# Altium PCB PCB.PcbDoc (part 2 of 2) (continued)
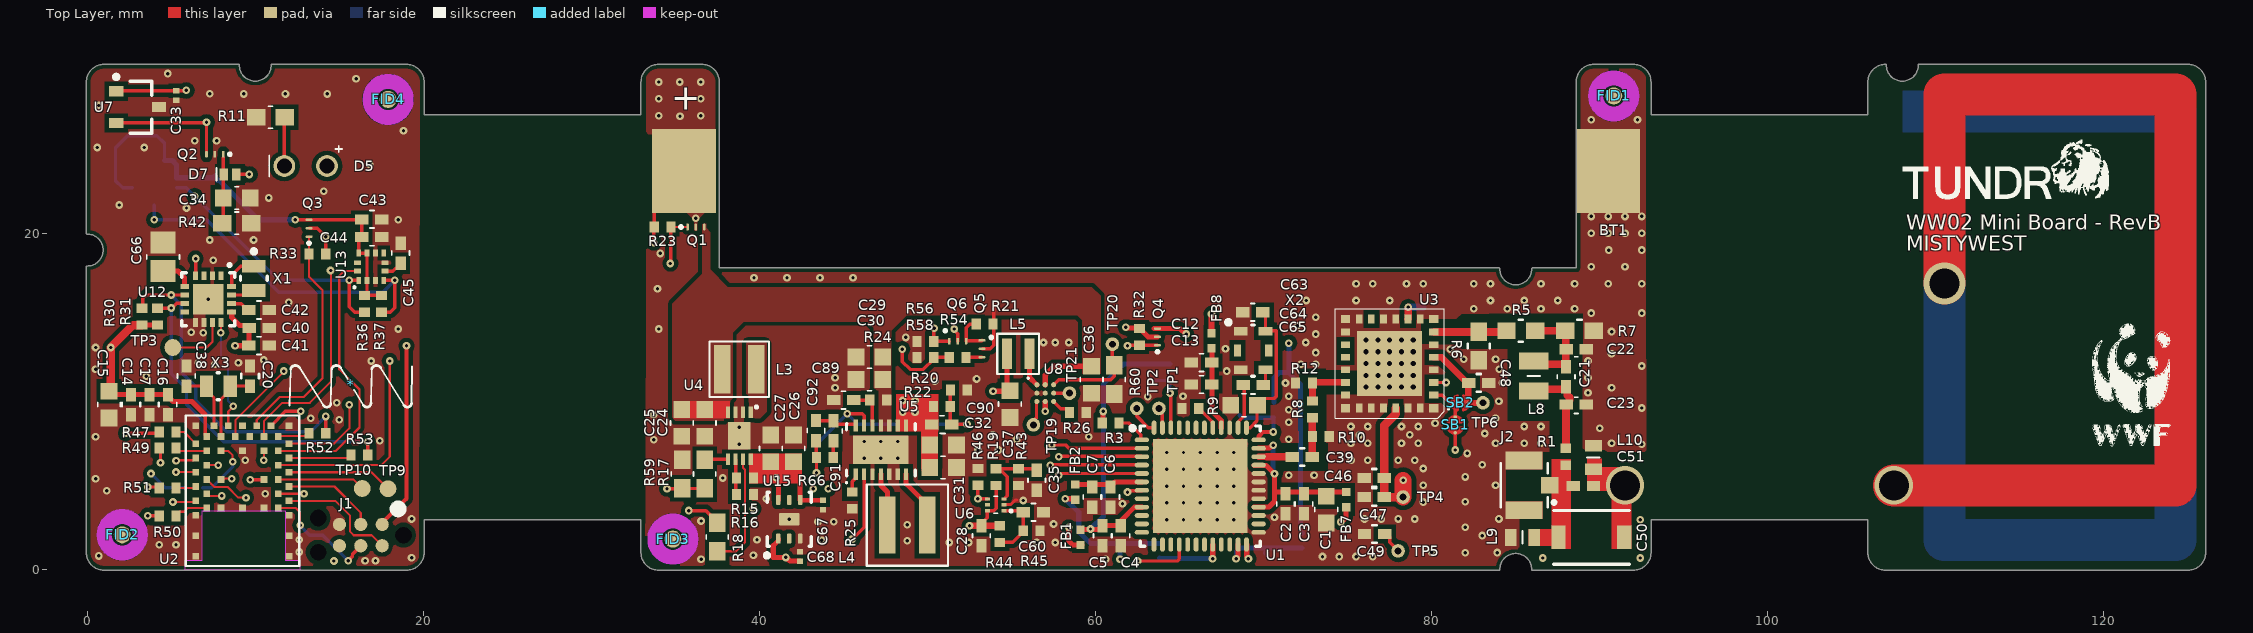
[diagram p0: Top Layer view]
## Nets (pads, with @x,y where several pads share a name; then routed paths per layer and width w, separated by ;. In a path a pad name is that pad's centre, name@x,y a point inside that pad or via, vN(x,y) a via of type N, cw(c..) or ccw(c..) an arc to the next point about the centre after c; other vN are vias at no path point) (continued)
OC_A33VD1: C10.1 C11.1 FB9.2 U1.23 | length 5.4
  Top Layer w0.305: v1(68.358,0.635) 68.358,0.676 68.466,0.785 68.466,1.467 U1.23@68.479,1.479
  Bottom Layer w0.305: v1(68.358,0.635) 68.397,0.674 68.397,1.069 68.609,1.282 FB9.2@72.264,1.282 ; C10.1@70.111,0.991 C10.1@70.193,0.909
OC_A33VD2: C61.1 C62.1 FB10.2 U1.36 | length 4.2
  Top Layer w0.254: U1.36@69.704,7.704 69.704,7.919 69.964,8.179 v1(70.567,8.179)
  Bottom Layer w0.254: C62.1@68.558,9.169 68.708,9.019 FB10.2@70.615,9.019 70.591,8.995 70.591,8.203 v1(70.567,8.179)
OC_D18VD: C6.1 C7.1 FB2.2 U1.6 | length 3.9
  Top Layer w0.305: FB2.2@58.9,5.05 C6.1@60.8,5.05 ; C7.1@59.696,5.004 C7.1@59.8,4.9 ; C6.1@61,5.05 61.149,5.199 62.749,5.199 U1.6@62.754,5.204
OC_D33VD: C4.1 C5.1 FB1.2 R3.2 R67.2 U1.9 | length 17.7
  Top Layer w0.305: FB1.2@59.3,2.38 C5.1@60.325,2.38 ; R3.2@60.4,8.7 60.433,8.733 60.433,9.369 v1(60.462,9.399) ; C5.1@60.5,2.7 C5.1@60.513,2.713 ; C5.1@60.6,2.6 C4.1@61.5,2.6 ; C4.1@61.566,2.858 61.566,2.958 62.307,3.699 62.749,3.699 U1.9@62.754,3.704
  Bottom Layer w0.203: R67.2@64.417,12.225 R67.2@64.43,12.238
  Bottom Layer w0.305: v1(59.7,2.4) 60.462,3.162 v1(60.462,9.399) 60.462,11.015 61.66,12.212 64.404,12.212 R67.2@64.417,12.225
OC_PLLVD: C12.1 C13.1 FB8.2 U1.40 | length 4.9
  Top Layer w0.305: FB8.2@66.935,13.1 66.935,11 66.935,9.399 67.479,8.855 U1.40@67.479,8.429
OC_RXVD: C8.1 C9.1 FB4.2 U1.20 U1.24 | length 7.9
  Top Layer w0.305: v1(66.961,0.635) 66.97,0.644 66.97,1.47 U1.20@66.979,1.479 ; U1.24@68.979,1.479 68.991,1.467 68.991,0.779 69.12,0.651 v1@69.12,0.635
  Signal Layer 4 w0.305: v1(66.961,0.635) 66.961,0.982 67.198,1.219 68.824,1.219 69.065,0.978 69.065,0.664 v1(69.094,0.635)
  Bottom Layer w0.305: FB4.2@63.808,0.679 63.831,0.657 65.891,0.657 66.938,0.657 v1(66.961,0.635)
OC_TXVD: C1.1 C2.1 C3.1 FB7.2 U1.28 U1.33 U1.35 | length 11.4
  Top Layer w0.305: U1.28@69.424,3.708 70.313,3.708 70.644,4.039 70.644,4.597 ; U1.33@69.43,6.191 70.142,6.191 70.618,5.715 v1@70.644,5.715 ; U1.35@69.704,7.217 70.352,7.217 70.526,7.391 v1(70.567,7.391) ; v1(70.644,5.69) 70.644,4.597 ; FB7.2@74.919,4.606 72.531,4.606 70.652,4.606 70.644,4.597
  Bottom Layer w0.305: v1(70.567,7.391) 70.567,5.807 70.644,5.731 v1(70.644,5.69)
PA_ANT: R5.1 R6.2 U3.7 | length 4.3
  Top Layer w0.457: U3.7@80.123,14.121 R5.1@84.45,14.121
PA_PD: C49.2 TP5.TP U1.7 U3.3 | length 32.1
  Top Layer w0.203: v1@61.827,4.56 61.956,4.69 62.735,4.69 U1.7@62.744,4.699 ; C49.2@77.2,2.1 77.3,2.1 77.498,1.902 77.498,1.604 78,1.103 TP5.TP@78,1.1 ; TP5.TP@78.196,1.016 TP5.TP@78.196,1.181 ; U3.3@80.123,11.121 v1(80.854,11.121)
  Signal Layer 2 w0.203: v1(61.9,4.6) 61.9,4.529 64.93,1.499 77.611,1.499 TP5.TP@78,1.11 ; TP5.TP@78,1.1 TP5.TP@78,1.11 ; TP5.TP@78.12,1.016 TP5.TP@78.196,1.016 ; v1(80.854,11.121) 80.854,8.221 80.106,7.473 80.106,3.29 78,1.184 TP5.TP@78,1.11
PA_TR: SB1.2 U1.16 | length 28.3
  Top Layer w0.203: v1(62.5,0.5) 64.86,0.5 64.979,0.619 U1.16@64.979,1.479 ; SB1.2@81.4,8.135 81.4,7.109 v1(81.404,7.105)
  Signal Layer 3 w0.203: v1(62.5,0.5) 63.7,1.7 75.4,1.7 76,2.3 80.4,2.3 80.6,2.5 80.6,6.302 v1(81.404,7.105)
PA_TX: R8.2 R12.2 U3.20 | length 3.1
  Top Layer w0.406: R8.2@72.9,10.025 R12.2@72.9,11.1 ; R12.2@72.9,11.13 74.796,11.13 74.805,11.121 U3.20@74.873,11.121
Power_Line: D7.1 U2.10 | length 27.9
  Top Layer w0.127: U2.10@11.359,6.198 U2.10@11.365,6.203 17.496,6.203 18,6.708 v1(18,12.4)
  Top Layer w0.203: D7.1@8.875,23.5 v1(9.651,23.5)
  Signal Layer 2 w0.203: v1(9.651,23.5) 9.651,20.749 v1(18,12.4)
RF2_OUT: C50.1 C51.1 J2.1 L9.1 R1.2 | length 1.5
  Top Layer w0.457: J2.1@87.024,5 87.047,4.977 87.55,4.977 87.913,4.977 ; 87.975,5.039 87.913,4.977 ; C51.1@88.425,4.954 88.402,4.977 87.913,4.977
RF2_OUT_ANT: C50.2 C51.2 L10.1 | length 165.8
  Top Layer w2.5: v5(107.5,5) 124.25,5 124.25,28.25 110.5,28.25 v6(110.5,17)
  Signal Layer 2 w2.54: v5(91.5,5) v5(107.5,5)
  Signal Layer 3 w2.54: v5(91.5,5) v5(107.5,5)
  Bottom Layer w2.5: 110,27.25 124.25,27.25 124.25,1.75 110.5,1.75 v6(110.5,17)
RST_BLE: J1.2 U2.7 | length 5.6
  Top Layer w0.127: U2.7@12.015,4.928 14.714,4.928 16.281,3.361 J1.2@16.281,2.673
RTC_nIRQ2: U2.16 U12.4 | length 14.8
  Top Layer w0.203: U12.4@6.452,17.465 v1(6.452,18.495) ; U2.16@10.94,8.553 11.787,9.4 v1(12.7,9.4)
  Signal Layer 2 w0.203: v1(6.452,18.495) 12.7,12.247 v1(12.7,9.4)
RTC_nTIRQ: U2.22 U12.12 | length 6.7
  Top Layer w0.127: v1(7.952,14.077) U12.12@7.952,14.685 ; U2.22@8.324,8.619 U2.22@8.39,8.553 8.39,9.39 v1(8.7,9.7)
  Bottom Layer w0.127: v1(7.952,14.077) 7.952,12.688 8.376,12.264 8.376,10.024 v1(8.7,9.7)
RTC_SCL: R31.1 R53.2 U12.7 | length 20.3
  Top Layer w0.203: R31.1@4.196,15.54 4.202,15.547 4.99,15.547 v1(4.997,15.553) ; v1@5.065,15.553 5.337,15.825 U12.7@5.812,15.825 ; R53.2@16.7,6.8 v1(16.7,7.6)
  Bottom Layer w0.203: v1(4.997,15.553) 4.997,11.649 5.909,10.737 5.909,9.829 8.138,7.6 v1(16.7,7.6)
RTC_SDA: R30.1 R52.2 U12.6 | length 20
  Top Layer w0.127: R52.2@14.2,8.1 R52.2@14.231,8.131
  Top Layer w0.203: R30.1@3.265,15.544 3.307,15.586 3.307,16.12 3.511,16.325 v1(4.997,16.325) U12.6@5.812,16.325 ; v1(14.2,9.1) 14.2,8.163 R52.2@14.231,8.131
  Bottom Layer w0.203: v1(4.997,16.325) 5.6,15.721 5.6,11.724 6.452,10.871 6.452,10.048 8.3,8.2 13.3,8.2 v1(14.2,9.1)
SENS_VCC: C18.1 C19.1 C43.1 C44.1 Q3.3 R36.2 R37.2 U11.1 U11.6 U11.10 U13.2 U13.9 U13.10 | length 27.4
  Top Layer w0.203: v1(12.376,20.8) Q3.3@13.199,20.8 16.31,20.8 16.334,20.824 C43.1@16.339,20.824 C44.1@16.339,19.783 16.15,19.595 U13.10@16.15,18.815 U13.9@16.65,18.815 U13.2@16.65,17.185 R36.2@16.65,16.395 ; R36.2@16.5,16.3 R37.2@17.5,16.3
  Bottom Layer w0.203: U11.6@2.68,22.7 2.111,22.7 1.684,23.127 1.684,25.084 2.4,25.8 4.148,25.8 4.6,25.348 U11.10@4.6,24.32 ; C19.1@6.6,23.4 C19.1@6.609,23.391
  Bottom Layer w0.305: U11.10@4.6,24.32 5.079,24.32 5.32,24.079 U11.1@5.32,23.3 6.4,23.3 7.5,23.3 7.6,23.4 7.6,23.3 7.748,23.152 7.848,23.152 10.2,20.8 v1(12.376,20.8)
SENS_VCC_EN: Q3.1 R33.2 U2.18 | length 14.1
  Top Layer w0.127: U2.18@10.09,8.553 10.09,8.89 11.458,10.258 12.889,10.258 14,11.369 14,16.607 13.2,17.408 R33.2@13.2,18.759 ; R33.2@13.199,18.72 Q3.1@13.199,19.8
SENSOR_SCL: R36.1 R50.1 U11.2 U13.1 | length 39.9
  Top Layer w0.203: v1(3.6,3.2) 4.252,3.2 R50.1@4.283,3.169 R50.1@4.283,3.219 ; U13.1@16.15,17.185 16.135,17.2 v1(15.6,17.2) 15.6,15.621 15.921,15.3 R36.1@16.5,15.3
  Signal Layer 2 w0.203: v1(3.6,3.2) 1.134,5.666 1.134,9.034 2.2,10.1 2.2,20.092 4.308,22.2 v1(6.4,22.2)
  Bottom Layer w0.203: U11.2@5.32,22.7 5.9,22.7 v1(6.4,22.2) 11.4,17.2 v1(15.6,17.2)
SENSOR_SDA: R37.1 R51.1 U11.4 U13.4 | length 39.6
  Top Layer w0.203: v1(3.6,4.9) 4.229,4.9 R51.1@4.283,4.845 ; R37.1@17.4,15.265 17.4,15.2 R37.1@17.5,15.3 18.03,15.3 18.3,15.57 v1(18.3,17.2) 18.293,17.193 17.658,17.193 U13.4@17.65,17.185
  Signal Layer 2 w0.203: v1(3.6,4.9) 2.684,4.9 1.633,5.951 1.633,8.733 2.8,9.9 2.8,19.6 v1(4,20.8)
  Bottom Layer w0.203: U11.4@4,21.68 v1(4,20.8) 7.1,20.8 11.4,16.5 17.6,16.5 v1(18.3,17.2)
SW_1V8: L5.1 U8.A1 | length 2
  Top Layer w0.305: L5.1@56.071,12.823 56.071,11.42 U8.A1@56.505,10.985
SWCLK_BLE: J1.5 U2.4 | length 7.1
  Top Layer w0.127: U2.4@11.365,3.653 12.407,3.653 12.672,3.388 v1(12.672,2.624)
  Top Layer w0.203: v1(15.543,0.508) 15.543,0.524 15.788,0.768 15.788,0.909 J1.5@16.281,1.403
  Bottom Layer w0.203: v1(12.672,2.624) 12.672,2.593 13.228,2.038 14.013,2.038 v1(15.543,0.508)
SWDIO_BLE: J1.6 U2.5 | length 7.2
  Top Layer w0.127: U2.5@12.015,4.078 14.752,4.078 15.646,3.184 15.646,2.246 15.86,2.032 16.922,2.032 J1.6@17.551,1.403
TXOUT_ARGOS: C39.1 U1.34 | length 2
  Top Layer w0.305: U1.34@69.704,6.704 U1.34@69.709,6.699
  Top Layer w0.406: U1.34@69.709,6.699 70.2,6.699
  Top Layer w0.457: 70.2,6.699 71.643,6.699 C39.1@71.663,6.719
UART_RX: TP10.TP U2.8 | length 5.2
  Top Layer w0.127: U2.8@11.365,5.353 15.827,5.353 TP10.TP@16.368,4.813
UART_TX: TP9.TP U2.9 | length 6.3
  Top Layer w0.127: U2.9@12.015,5.778 16.922,5.778 TP9.TP@17.9,4.8
Vbat: C24.1 C25.1 C29.1 C30.1 C36.1 L3.1 Q1.3 Q5.2 R21.1 R24.2 U4.4 U5.10 U5.11 U8.A2 | length 6.8
  Top Layer w0.203: Q5.2@53.242,13.123 53.737,13.123 53.95,13.336 53.95,14.455 53.95,15.74
  Top Layer w0.305: U8.A2@57.005,10.985 57.005,11.562 57.528,12.085 C36.1@59.765,12.085
Vbat_in: BT1.1 C33.1 Q1.2 R23.2 U7.1 | length 45.1
  Top Layer w0.203: U7.1@1.728,28.447 U7.1@1.725,28.45 1.75,28.475 v1@5.875,28.475 ; v1@5.847,28.447 v1@5.875,28.475 ; v1(5.9,28.5) v1@5.875,28.475 ; v1(33.718,19.443) 33.718,20.35 R23.2@33.739,20.371 33.739,21.841 BT1.1@35.596,23.698
  Top Layer w0.508: BT1.1@35.596,23.698 BT1.1@36.22,23.074
  Signal Layer 3 w0.203: v1(5.9,28.5) 6.7,27.7 15.6,27.7 17.437,25.863 17.437,20.063 18.057,19.443 v1(33.718,19.443)
  other v1: 36.216,20.9 35.275,26.967 34,27 36.5,27 34,28 36.5,28 34,29 35.25,29 36.5,29
Vbat_Sample: R54.1 R58.2 U2.45 | length 49.1
  Top Layer w0.127: U2.45@7.965,5.353 8.047,5.436 8.132,5.351 8.181,5.4 v1(8.6,5.4)
  Top Layer w0.203: v1(48.5,13.1) 48.5,12.358 48.963,11.895 49.754,11.895 50.371,12.512 R58.2@50.371,12.613 ; R58.2@50.34,12.582 R58.2@50.371,12.613 ; R54.1@51.294,12.613 R58.2@50.371,12.613
  Signal Layer 2 w0.203: v1@8.652,5.4 v1(8.6,5.4) 9.131,5.931 33.967,5.931 35.789,7.753 35.789,9.576 39.313,13.1 v1(48.5,13.1)
Vbat_Sample_EN: Q6.1 R56.1 U2.42 | length 46.5
  Top Layer w0.127: v1(10.5,6.5) 10.515,6.515 U2.42@10.515,7.053
  Top Layer w0.203: R56.1@50.372,13.555 R56.1@50.382,13.565 ; v1(50.393,14.348) 50.382,14.337 R56.1@50.382,13.565 ; Q6.1@51.294,13.576 50.393,13.576 R56.1@50.382,13.565
  Signal Layer 2 w0.203: v1(10.5,6.5) 33.602,6.5 35.128,8.026 35.128,9.931 39.545,14.348 v1(50.393,14.348)
pads on no net: FID1. FID2. FID3. FID4. FID5. FID6. FID7. FID8. J1.0 J1.4 U1.8 U1.10 U1.11 U1.12 U1.13 U1.14 U1.15 U1.17 U1.18 U1.19 U1.21 U1.22 U1.26 U1.42 U1.43 U1.44 U1.45 U2.19 U2.20 U3.13 U3.17 U3.18 U6.5 U11.7 U12.1 U12.3 U12.8 U13.7 U13.11 U15.2 U15.5 X2.2 X2.5
copper on no net: | length 0.2
  Top Layer w0.203: 81.187,9.9 81.362,9.9

## Polygon pours and split planes (outlines as drawn)
GND on Bottom Layer "Bottom Layer-GND" (solid, remove dead copper, pour order 39): 32.995,30.023 33.02,29.997 92.964,29.997 92.964,-0.025 32.969,-0.025
Vbat_in on Bottom Layer "VBAT_IN_L06_P028" (solid, pour order 28): 33.397,25.9 33.2,26.097 33.2,30.1 37.068,30.1 37.268,30.3 37.4,30.168 37.4,26.2 37.1,25.9
GND on Bottom Layer "Bottom Layer-GND 2" (solid, remove dead copper, pour order 43): -0.025,30.048 20.015,30.048 20.015,-0.025 19.99,0 0,0
GND on Top Layer "Top Layer-GND" (solid, remove dead copper, pour order 33): 32.944,30.673 92.964,30.673 92.964,0.686 92.964,-0.025 32.97,0
Vbat_in on Top Layer "VBAT_IN_L01_P029" (solid, pour order 29): 33.397,25.9 33.2,26.097 33.2,30.1 37.068,30.1 37.268,30.3 37.4,30.168 37.4,26.2 37.1,25.9
NetL3_2 on Top Layer "NETL3_2_L01_P030" (solid, pour order 30): 39.37,8.992 39.35,9 39.35,10.33 39.225,10.455 39.225,13.463 39.317,13.555 40.335,13.555 40.442,13.448 40.442,9.388 40.046,8.992
Vbat on Top Layer "VBAT_L01_P031" (solid, pour order 31): 36.795,20.576 36.651,20.576 36.6,20.525 36.6,17.6 34.8,15.8 34.8,9.058 35,8.858 38.118,8.858 38.252,8.992 38.252,10.036 38.4,10.184 38.4,14.072 39.073,14.746 46.442,14.746 46.814,14.374 46.814,10.811 47.1,10.525 47.1,8.2 47.857,8.195 47.857,14.203 48.773,15.119 50.925,15.119 58.905,15.119 59.2,14.824 59.2,11.625 59.263,11.562 60.236,11.562 60.3,11.626 60.3,16.28 59.78,16.8 38.124,16.8 37.077,17.846 37.077,20.057 36.821,20.313 36.821,20.55
Vbat_in on Top Layer "VBAT_IN_L01_P032" (solid, pour order 32): 36.126,20.174 36.151,20.149 36.274,20.149 36.3,20.175 36.3,20.775 36.817,21.292 35.608,21.292 36.126,20.774
GND on Top Layer "Top Layer-GND 2" (solid, remove dead copper, pour order 36): 0,30.023 0.025,29.997 19.99,29.997 19.99,0.025 20.015,0 0,0
GND on Signal Layer 1 "Signal Layer 1-GND 2" (solid, remove dead copper, pour order 49): 33.045,29.972 92.989,29.972 93.015,29.947 92.964,29.896 92.964,-0.025 32.995,-0.025
GND on Signal Layer 1 "Signal Layer 1-GND" (solid, remove dead copper, pour order 45): -0.025,29.997 0,29.972 19.964,29.972 19.964,0 0,0
GND on Signal Layer 2 "Signal Layer 2-GND 1" (solid, remove dead copper, pour order 55): 32.944,29.972 92.964,29.972 92.964,-0.025 32.969,-0.025 32.944,-0.051
GND on Signal Layer 2 "Top Layer-GND 4" (hatched 45Degree grid 0.33 track 0.127, remove dead copper, pour order 38): 19.27,27 33.863,27 33.863,2.979 19.27,2.979
GND on Signal Layer 2 "Signal Layer 2-GND 2" (solid, remove dead copper, pour order 57): 0.025,30.023 19.964,30.023 19.964,-0.025 0.025,-0.025
GND on Signal Layer 3 "Signal Layer 3-GND 1" (solid, remove dead copper, pour order 61): 32.969,29.972 92.964,29.972 92.964,-0.025 32.969,-0.025
GND on Signal Layer 3 "Signal Layer 3-GND" (solid, remove dead copper, pour order 59): -0.025,30.023 19.964,30.023 20.066,29.921 20.066,-0.025 0.076,-0.025
GND on Signal Layer 3 "Bottom Layer-GND 3" (hatched 45Degree grid 0.33 track 0.127, remove dead copper, pour order 73): 19.257,27 34.155,27 34.155,3.054 19.189,3.054
GND on Signal Layer 4 "Signal Layer 4-GND 1" (solid, remove dead copper, pour order 69): 32.944,29.972 93.066,29.972 92.964,29.87 92.964,-0.025 33.071,-0.025 33.045,0
GND on Signal Layer 4 "Signal Layer 4-GND" (solid, remove dead copper, pour order 67): 0,30.023 0.051,29.972 20.091,29.972 20.091,0.051 20.041,0 -0.102,0

## Keep-outs
Keep-Out Layer:
  region: 6.807,3.454 6.807,0.508 5.817,0.508 5.817,0 12.672,0 12.672,0.508 11.811,0.508 11.811,3.454

## Other copper
Top Layer:
  rectangle net RF2_OUT: 87.125,1.2 88.3,6.564
  rectangle net RF2_OUT_ANT: 89.225,4.654 90.135,6.599
  rectangle net RF2_OUT_ANT: 89.225,4.654 91.5,6.105
  rectangle net RF2_OUT_ANT: 90.7,1.2 91.875,5.254
  rectangle net RF2_OUT: 85.755,1.387 87.975,2.4
  rectangle net 4V2: 39.37,5.105 42.545,6.909
  rectangle net 3V3: 48.111,8.217 50.651,10.43
  rectangle net Vbat: 34.874,8.992 38.252,10.008
  pour cut-out: 89,15.2 89,7 92.99,7 92.964,-0.025 85.195,-0.025 85.195,3 86.6,3 86.6,4.05 85.195,4.05 84.399,4.05 84.399,5.954 86.6,5.954 86.6,7 87,7 87,8.818 84.5,8.818 84.5,13.1 81.774,13.1 81.474,13.4 79.4,13.4 79.4,14.9 81.474,14.9 81.774,15.2
  pour cut-out: 91.5,6.659 93.75,6.659 93.75,3.341 91.5,3.341
  pour cut-out: 3.51,16.842 3.255,16.587 3.255,16.581 4.466,16.581 4.61,16.726 4.61,16.834
  region: 16.15,17.185
  region: 16.1,17.2
  pour cut-out: 10.874,17.415 10.874,17.223 10.851,17.2 9.08,17.2 9.08,17.409 9.074,17.415
Signal Layer 1:
  pour cut-out: 78,14.2 79.2,14.2 79.2,15.172 78,15.172
  pour cut-out: 69.029,7.5 69.029,5.879 73.808,5.879 73.808,10.412 75.561,10.412 75.561,11.93 72.067,11.93 72.067,7.5
  pour cut-out: 89,15.2 88.999,7 92.989,7 92.963,-0.025 85.194,-0.025 85.195,3 86.6,3 86.6,4.05 85.195,4.05 84.399,4.05 84.399,5.954 86.6,5.954 86.6,7 87,7 87,8.818 84.5,8.818 84.499,13.1 81.774,13.1 81.474,13.4 79.399,13.4 79.4,14.9 81.474,14.9 81.774,15.2
Signal Layer 2:
  pour cut-out: 93.05,0 85.2,0 85.2,3 86.6,3 86.6,7 93.05,7
  pour cut-out: 91.5,6.659 93.75,6.659 93.75,3.341 91.5,3.341
  pour cut-out: 48.553,14.08 48.4,13.928 48.4,13.672 48.592,13.48 48,13.48 48,14.144 48.028,14.172
Signal Layer 3:
  rectangle net 3V3: 48.035,8.89 49.737,10.541
  pour cut-out: 93.05,0 85.2,0 85.2,3 86.6,3 86.6,7 93.05,7
  pour cut-out: 91.5,6.659 93.75,6.659 93.75,3.341 91.5,3.341
Signal Layer 4:
  rectangle net 3V3: 48.06,8.89 49.711,10.541
  pour cut-out: 78.6,16.6 82.1,16.6 82.1,14.6 78.6,14.6
  pour cut-out: 91.5,6.659 93.75,6.659 93.75,3.341 91.5,3.341
Bottom Layer:
  rectangle net RF2_OUT_ANT: 108,26 110,28.5
  pour cut-out: 80,16.602 82.1,16.597 82.1,14.6 80,14.6
  pour cut-out: 91.5,6.659 93.75,6.659 93.75,3.341 91.5,3.341

## Silkscreen, mask and mechanical layers (free items; w line width, h text height)
Top Overlay:
  drawing of 29 lines, arcs and shapes, not listed
  text "+" at 34.747,27.356 h1.52
  text "WW02 Mini Board - RevB" at 108.239,19.919 h1.52
  text "MISTYWEST" at 108.239,18.649 h1.52
Bottom Overlay:
  drawing of 54 lines, arcs and shapes, not listed
  text "WW02 Mini Board - RevB" at 47.9,11.302 h1.52
  text "MISTYWEST" at 47.9,10.032 h1.52
Mechanical 1:
  drawing of 646 lines, arcs and shapes, not listed
  text "Layer" at 133.266,32.493 h1.28
  text "Name" at 142.109,32.493 h1.28
  text "Material" at 162.278,32.493 h1.28
  text "Thickness" at 180.737,32.493 h1.28
  text "Constant" at 194.708,32.493 h1.28
  text "Board Layer Stack" at 206.97,32.493 h1.28
  text "Flex" at 230.985,32.493 h1.28
  text "Top Overlay" at 142.109,29.928 h1.28
  text "Top Solder" at 142.109,27.362 h1.28
  text "Solder Resist" at 162.278,27.362 h1.28
  text "0.60mil" at 180.737,27.362 h1.28
  text "3.5" at 194.708,27.362 h1.28
  text "1" at 133.266,24.797 h1.28
  text "Top Layer" at 142.109,24.797 h1.28
  text "Copper" at 162.278,24.797 h1.28
  text "1.40mil" at 180.737,24.797 h1.28
  text "Dielectric 1" at 142.109,22.232 h1.28
  text "FR-4" at 162.278,22.232 h1.28
  text "10.00mil" at 180.737,22.232 h1.28
  text "4.2" at 194.708,22.232 h1.28
  text "2" at 133.266,19.667 h1.28
  text "Signal Layer 1" at 142.109,19.667 h1.28
  text "Copper" at 162.278,19.667 h1.28
  text "0.70mil" at 180.737,19.667 h1.28
  text "Dielectric 3" at 142.109,17.102 h1.28
  text "PP-006" at 162.278,17.102 h1.28
  text "3.30mil" at 180.737,17.102 h1.28
  text "4.1" at 194.708,17.102 h1.28
  text "Dielectric 6" at 142.109,14.537 h1.28
  text "Core-009" at 162.278,14.537 h1.28
  text "10.00mil" at 180.737,14.537 h1.28
  text "4.5" at 194.708,14.537 h1.28
  text "Dielectric 7" at 142.109,11.972 h1.28
  text "PP-006" at 162.278,11.972 h1.28
  text "2.90mil" at 180.737,11.972 h1.28
  text "4.1" at 194.708,11.972 h1.28
  text "3" at 133.266,9.406 h1.28
  text "Signal Layer 2" at 142.109,9.406 h1.28
  text "Copper" at 162.278,9.406 h1.28
  text "0.70mil" at 180.737,9.406 h1.28
  text "Dielectric 4" at 142.109,6.841 h1.28
  text "2.00mil" at 180.737,6.841 h1.28
  text "4.2" at 194.708,6.841 h1.28
  text "4" at 133.266,4.276 h1.28
  text "Signal Layer 3" at 142.109,4.276 h1.28
  text "Copper" at 162.278,4.276 h1.28
  text "0.70mil" at 180.737,4.276 h1.28
  text "Dielectric 9" at 142.109,1.711 h1.28
  text "PP-006" at 162.278,1.711 h1.28
  text "3.40mil" at 180.737,1.711 h1.28
  text "4.1" at 194.708,1.711 h1.28
  text "Dielectric 8" at 142.109,-0.854 h1.28
  text "Core-009" at 162.278,-0.854 h1.28
  text "10.00mil" at 180.737,-0.854 h1.28
  text "4.5" at 194.708,-0.854 h1.28
  text "Dielectric 5" at 142.109,-3.419 h1.28
  text "PP-006" at 162.278,-3.419 h1.28
  text "3.30mil" at 180.737,-3.419 h1.28
  text "4.1" at 194.708,-3.419 h1.28
  text "5" at 133.266,-5.984 h1.28
  text "Signal Layer 4" at 142.109,-5.984 h1.28
  text "Copper" at 162.278,-5.984 h1.28
  text "0.70mil" at 180.737,-5.984 h1.28
  text "Dielectric 2" at 142.109,-8.55 h1.28
  text "10.00mil" at 180.737,-8.55 h1.28
  text "4.2" at 194.708,-8.55 h1.28
  text "6" at 133.266,-11.115 h1.28
  text "Bottom Layer" at 142.109,-11.115 h1.28
  text "Copper" at 162.278,-11.115 h1.28
  text "1.40mil" at 180.737,-11.115 h1.28
  text "Bottom Solder" at 142.109,-13.68 h1.28
  text "Solder Resist" at 162.278,-13.68 h1.28
  text "0.60mil" at 180.737,-13.68 h1.28
  text "3.5" at 194.708,-13.68 h1.28
  text "Bottom Overlay" at 142.109,-16.245 h1.28
Mechanical 2:
  circle w0.127: c88.313,4.039 r5
  rectangle: 87.125,1.2 88.3,6.564
  rectangle: 85.755,1.387 87.975,2.4
  rectangle: 90.7,1.2 91.875,5.254
  rectangle: 89.225,4.654 91.5,6.105
  rectangle: 89.225,4.654 90.135,6.599
  lines w0.1: 20,0 20,30 ; 24.3,2.997 24.3,27 ; 28.6,2.997 28.6,27 ; 33,0 33,30 ; 93,0 93,30 ; 93,3 93,1 cw(c92,1) 92,0 86,0 ccw(c85,0) 84,0 34,0 cw(c34,1) 33,1 33,3 ; 97.3,2.997 97.3,27 ; 101.6,2.997 101.6,27 ; 106,0 106,30 ; 106,3 106,27 ; 20,3 20,1 cw(c19,1) 19,0 1,0 cw(c1,1) 0,1 0,18 ccw(c0,19) 0,20 0,29 cw(c1,29) 1,30 9,30 ccw(c10,30) 11,30 19,30 cw(c19,29) 20,29 20,27 ; 20,3 20,27 ; 20,3 33,3 ; 20,27 33,27 ; 33,3 33,27 ; 33,27 33,29 cw(c34,29) 34,30 36.567,30 cw(c36.567,29) 37.567,29 37.567,17.882 84,17.882 ccw(c85,17.882) 86,17.882 88.646,17.882 88.646,29 cw(c89.646,29) 89.646,30 92,30 cw(c92,29) 93,29 93,27 ; 93,27 93,2.997 106,2.997 106,1 ccw(c107,1) 107,0 117,0 125,0 ccw(c125,1) 126,1 126,29 ccw(c125,29) 125,30 115,30 109,30 cw(c108,30) 107,30 ccw(c107,29) 106,29 106,27 ; 93,27 106,27
  lines w0.305: 69.704,6.704 69.709,6.699
  lines w0.406: 69.709,6.699 70.2,6.699
  lines w0.457: 70.2,6.699 71.7,6.699 ; 72.9,6.699 72.9,9 ; 72.9,9.982 72.9,11.091 ; 72.9,11.121 74.8,11.121 ; 80.123,14.121 84.45,14.121 ; 86.075,10.32 87.858,10.32 ; 86.075,12.1 87.845,12.1 ; 86.15,14.2 87.95,14.2 ; 87.975,11.93 87.975,14.175 ; 87.987,7.512 87.987,10.149
  text "Layer 1,  / 50 ohm traces, 18mil / Antenna matching traces" at 83.2,14.739 h1.52
Mechanical 3:
  lines w0.1: 93,3 93,1 cw(c92,1) 92,0 86,0 ccw(c85,0) 84,0 34,0 cw(c34,1) 33,1 33,3 ; 106,3 106,27 ; 20,3 20,1 cw(c19,1) 19,0 1,0 cw(c1,1) 0,1 0,18 ccw(c0,19) 0,20 0,29 cw(c1,29) 1,30 9,30 ccw(c10,30) 11,30 19,30 cw(c19,29) 20,29 20,27 ; 20,3 20,27 ; 20,3 33,3 ; 20,27 33,27 ; 33,3 33,27 ; 33,27 33,29 cw(c34,29) 34,30 36.567,30 cw(c36.567,29) 37.567,29 37.567,17.882 84,17.882 ccw(c85,17.882) 86,17.882 88.646,17.882 88.646,29 cw(c89.646,29) 89.646,30 92,30 cw(c92,29) 93,29 93,27 ; 93,27 106,27 ; 93,27 93,2.997 106,2.997 106,1 ccw(c107,1) 107,0 117,0 125,0 ccw(c125,1) 126,1 126,29 ccw(c125,29) 125,30 115,30 109,30 cw(c108,30) 107,30 ccw(c107,29) 106,29 106,27
Drill Drawing:
  circle w0.254: c2.579,-27.071 r0.787
  lines w0.254: 1.793,-34.937 1.793,-34.544 2.186,-34.15 1.793,-33.757 1.793,-33.364 2.186,-33.364 2.579,-33.757 2.973,-33.364 3.366,-33.364 3.366,-33.757 2.973,-34.15 3.366,-34.544 3.366,-34.937 2.973,-34.937 2.579,-34.544 2.186,-34.937 1.793,-34.937 ; 1.793,-29.824 3.366,-29.824 2.579,-31.397 1.793,-29.824 ; 1.793,-24.318 3.366,-24.318 3.366,-22.745 1.793,-22.745 1.793,-24.318 ; 1.793,-20.779 3.366,-20.779 3.366,-19.206 1.793,-19.206 1.793,-20.779 ; 1.793,-16.846 2.186,-16.846 2.579,-17.239 2.973,-16.846 3.366,-16.846 2.973,-16.453 3.366,-16.06 2.973,-16.06 2.579,-15.666 2.186,-16.06 1.793,-16.06 2.186,-16.453 1.793,-16.846 ; 1.793,-13.7 2.579,-13.307 3.366,-13.7 2.973,-12.913 3.366,-12.127 2.579,-12.52 1.793,-12.127 2.186,-12.913 1.793,-13.7 ; 2.107,-20.464 3.051,-20.464 3.051,-19.52 2.107,-19.52 2.107,-20.464
  lines w0.381: 0.376,-35.999 80.405,-35.999 ; 0.376,-11.222 80.405,-11.222 ; 13.433,-39.538 13.433,-7.683 ; 27.387,-39.538 27.387,-7.683 ; 53.372,-39.538 53.372,-7.683 ; 65.367,-39.538 65.367,-7.683 ; 0.376,-39.538 80.405,-39.538 80.405,-7.683 0.376,-7.683 0.376,-39.538
  text "Symbol" at 2.5,-10.161 h1.7
  text "Count" at 14.495,-10.161 h1.7
  text "Hole Size" at 28.449,-10.161 h1.7
  text "Plated" at 54.434,-10.161 h1.7
  text "Via/Pad" at 66.429,-10.161 h1.7
  text "3" at 14.495,-13.7 h1.42
  text "7.87mil (0.200mm)" at 28.449,-13.7 h1.42
  text "PTH" at 54.434,-13.7 h1.42
  text "Via" at 66.429,-13.7 h1.42
  text "347" at 14.495,-17.239 h1.42
  text "8.00mil (0.203mm)" at 28.449,-17.239 h1.42
  text "PTH" at 54.434,-17.239 h1.42
  text "Via" at 66.429,-17.239 h1.42
  text "25" at 14.495,-20.779 h1.42
  text "12.00mil (0.305mm)" at 28.449,-20.779 h1.42
  text "PTH" at 54.434,-20.779 h1.42
  text "Via" at 66.429,-20.779 h1.42
  text "8" at 14.495,-24.318 h1.42
  text "16.00mil (0.406mm)" at 28.449,-24.318 h1.42
  text "PTH" at 54.434,-24.318 h1.42
  text "Pad" at 66.429,-24.318 h1.42
  text "2" at 14.495,-27.858 h1.42
  text "35.43mil (0.900mm)" at 28.449,-27.858 h1.42
  text "PTH" at 54.434,-27.858 h1.42
  text "Pad" at 66.429,-27.858 h1.42
  text "3" at 14.495,-31.397 h1.42
  text "39.02mil (0.991mm)" at 28.449,-31.397 h1.42
  text "PTH" at 54.434,-31.397 h1.42
  text "Pad" at 66.429,-31.397 h1.42
  text "3" at 14.495,-34.937 h1.42
  text "70.00mil (1.778mm)" at 28.449,-34.937 h1.42
  text "PTH" at 54.434,-34.937 h1.42
  text "Via" at 66.429,-34.937 h1.42
  text "391 Total" at 14.495,-38.476 h1.42

## Dimensions
126,1 to 0,1 on Mechanical 1
93,2.997 to 93,27 on Mechanical 1
93,29 to 106,27 on Mechanical 1
106,29 to 126,29 on Mechanical 1
88.646,29 to 93,29 on Mechanical 1
33,27 to 37.567,29 on Mechanical 1
20,29 to 33,27 on Mechanical 1
0,29 to 20,29 on Mechanical 1
1,0 to 1,30 on Mechanical 1
37.567,17.882 to 88.646,17.882 on Mechanical 1
20,27 to 20,3 on Mechanical 1

## Text inside footprints (layer, text, board x,y; h text height)
J2: Mechanical 24 "3" at 84.567,5.013 h0.64 r90; Mechanical 24 "2" at 87.522,5.013 h0.64 r90; Mechanical 24 "1" at 86.029,3.494 h0.64 r90
J3: Mechanical 24 "3" at 81.933,15.613 h0.64 r270; Mechanical 24 "2" at 78.978,15.613 h0.64 r270; Mechanical 24 "1" at 80.471,14.093 h0.64 r270